# KiCad board RasPi.kicad_pcb (continued)
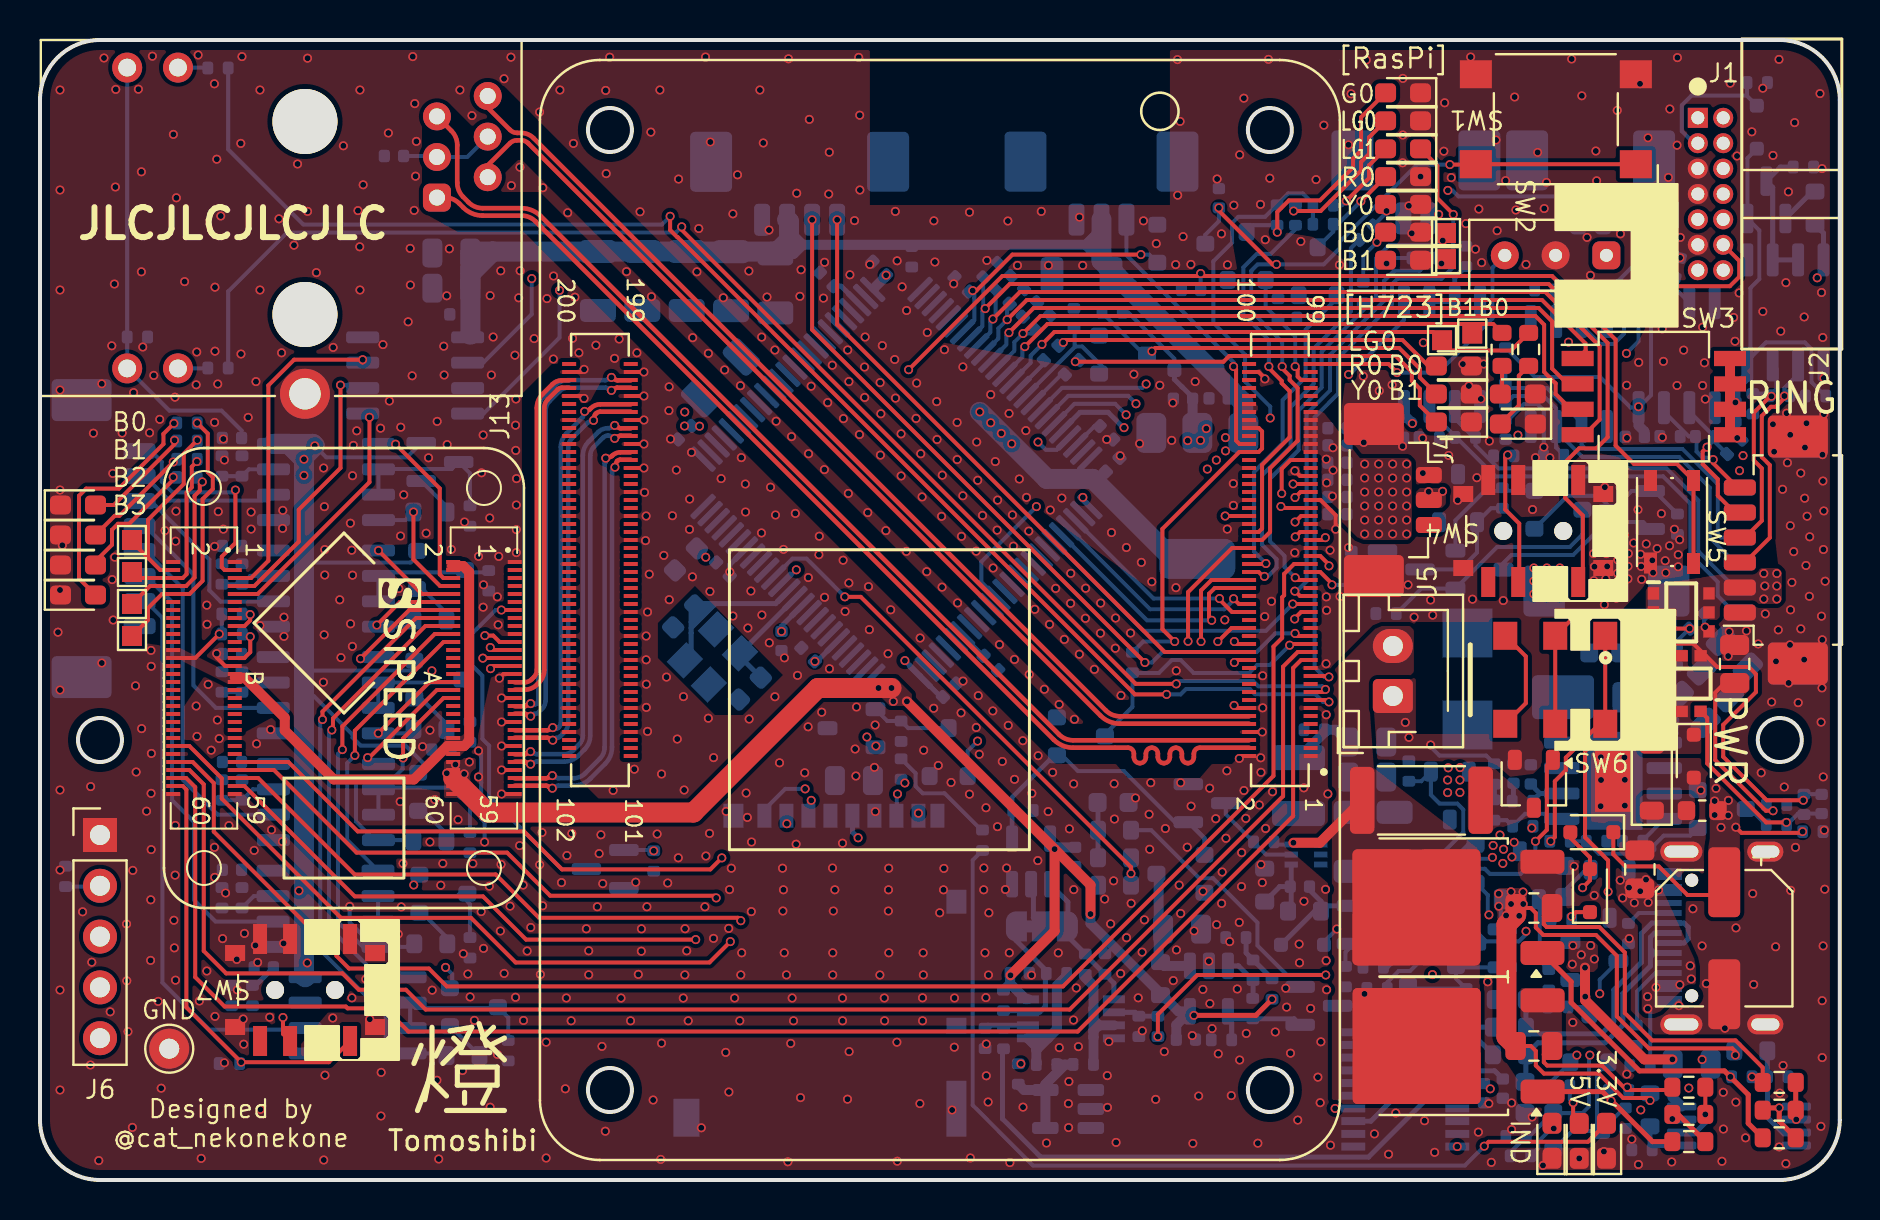
[diagram p0: board, top side]
## Routing (per net, layer and track width the routed paths; a pad name or vN(x,y) marks a point on that pad's centre or on a via; arc(x,y) is an arc through that point) (continued)
/RingNW/HSE_OUT: length 11.2
  Bottom w0.25: 32.56,27.92 32.56,28.53 C5.2 32.85,28.82 33.78,28.82 ; 32.56,27.92 33.46,28.82 33.78,28.82 ; 32.56,27.92 32.56,27.6 ; 33.78,28.82 36.79,28.82 U15.13 ; 33.78,28.82 32.56,27.6 ; 32.56,27.6 32.56,27.33 32.56,27.33 32.56,26.29 Y1.3
/RingNW/LED_B0: length 26.3
  Top w0.2: R4.2 72.67,42.8 50.38,42.8 v1(49.25,41.67)
  Bottom w0.2: U15.63 49.12,41.15 49.12,41.54 v1(49.25,41.67)
/RingNW/LED_B1: length 27.8
  Top w0.2: R5.2 73.56,41.48 70.56,41.48 69.64,42.4 50.72,42.4 v1(50.1,41.78)
  Bottom w0.2: U15.64 49.54,40.86 49.54,41.22 v1(50.1,41.78)
/RingNW/LED_LG0: length 1.9
  Bottom w0.2: R107.2 50.2,40.82 U15.65
/RingNW/LED_nR0: length 6.6
  Bottom w0.2: 51.74,41.65 51.74,42.52 R105.1 ; 51.74,41.65 51.77,41.68 52.11,41.68 53.12,40.67 53.12,40.21 ; 51.74,41.65 U15.66
/RingNW/LED_Y0: length 2.2
  Bottom w0.2: R108.2 51.07,40.28 U15.67
/RingNW/NRST: length 78.6
  Top w0.2: J1.12 84.97,45.96 84.97,45.16 84.5,44.69 76.12,44.69 75.61,45.2 ; 75.61,45.2 48.12,45.2 v1(43.43,40.52) ; 75.61,45.2 78.79,42.02 78.79,36.72 79.71,35.8 81.86,35.8 SW5.1 SW5.1
  In2.Cu w0.2: v1(37.82,30.51) 38.36,31.05 38.36,35.44 v1(43.43,40.52)
  Bottom w0.2: U15.14 37.09,29.78 v1(37.82,30.51) ; C2.1 v1(58.04,45.33)
/RingNW/RS485_RingNW/RS485X_RA: length 20
  Bottom w0.2: U3.6 70.74,38.09 71.78,37.05 71.78,36.74 72.94,35.58 81.33,35.58 82.92,33.99 82.92,31.45 84.74,29.62 J3.5
/RingNW/RS485_RingNW/RS485X_RB: length 22.6
  Bottom w0.2: R18.1 70.75,37.12 R19.2 ; J3.6 84.73,28.38 83.9,29.2 83.9,29.91 82.52,31.28 82.52,33.82 81.16,35.18 72.77,35.18 69.48,38.48 U3.7
/RingNW/RS485_RingNW/RS485X_TA: length 17.8
  Bottom w0.2: J3.3 84.06,32.12 83.9,32.28 83.9,34.78 82.13,36.55 77.3,36.55 77.08,36.76 U2.6 77.08,37.88 75.36,39.6 73.5,39.6 R15.1 R13.2
/RingNW/RS485_RingNW/RS485X_TB: length 19
  Bottom w0.2: R14.1 75.81,36.62 U2.7 ; U2.7 75.81,38.58 75.19,39.2 73.68,39.2 R15.2 ; U2.7 75.81,37.47 77.13,36.15 81.96,36.15 83.5,34.61 83.5,32.12 84.74,30.88 J3.4
/RingNW/RS485_RingNW/RS485Y_RA: length 8.1
  Top w0.2: v1(83.36,36.64) 83.14,36.42 83.14,35.8 83.9,35.04 83.9,34.22 84.74,33.38 J2.5
  Bottom w0.2: R21.2 83.8,36.86 R23.1 ; R23.1 83.8,37.08 v1(83.36,36.64) ; R23.1 83.72,37.18 82.48,38.42 U4.6
/RingNW/RS485_RingNW/RS485Y_RB: length 6.1
  Top w0.2: J2.6 84.88,34.62 83.67,35.84 v1(83.67,36.02)
  Bottom w0.2: U4.7 81.2,38.42 82.45,37.18 82.78,37.18 82.84,37.12 82.84,36.43 83.14,36.12 83.57,36.12 v1(83.67,36.02)
/RingNW/RS485_RingNW/RS485Y_TA: length 12.7
  Top w0.2: J2.3 85.26,30.88 86.5,32.12 86.5,35.75 86.1,36.15 86.1,38.2 86.56,38.66 86.8,38.66 87.23,39.09 v1(87.23,39.2)
  Bottom w0.2: 88.42,39.11 88.32,39.21 R98.1 ; v1(87.23,39.2) 87.23,39.6 87.92,40.28 U14.6
/RingNW/RS485_RingNW/RS485Y_TB: length 10.9
  Top w0.2: J2.4 85.26,32.12 86.1,32.97 86.1,35.58 85.7,35.98 85.7,38.37 86.52,39.19 v1(86.58,39.19)
  Bottom w0.2: R97.1 86.37,39.32 R98.2 86.83,39.56 86.83,40.57 U14.7
/RingNW/SlideSW0: length 50.1
  Top w0.2: v1(47.26,43.57) 48.49,44.8 75.44,44.8 78.39,41.85 78.39,37.14 77.83,36.59 76.96,36.59 76.27,35.89 76.27,34.1 77.15,33.22 77.15,30.13 SW4.1
  Bottom w0.2: R8.1 47.17,45.12 47.17,43.66 v1(47.26,43.57) 47.12,43.43 47.12,42.69 U15.58
/RingNW/SWCLK: length 48.5
  In2.Cu w0.2: J1.6 86.16,48.58 86.16,44.48 85.5,43.82 57.24,43.82 52.15,38.73 v1(52.15,34.13)
  Bottom w0.2: U15.76 52.15,34.02 v1(52.15,34.13) 52.14,34.13
/RingNW/SWDIO: length 48.2
  In2.Cu w0.2: J1.4 84.97,52.64 84.97,53.54 84.3,54.21 78.57,54.21 70.71,46.35 56.46,46.35 49.91,39.8 v1(49.91,36.9)
  Bottom w0.2: U15.72 50.84,36.51 50.3,36.51 v1(49.91,36.9)
/RingNW/SWO: length 52.8
  In2.Cu w0.2: J1.8 84.97,48.5 84.97,45.16 84.49,44.68 56.86,44.68 50.93,38.75 50.93,34.78 v1(49.83,33.67)
  Bottom w0.2: v1(49.83,33.67) 47.07,30.91 47.07,29.91 U15.89
/RST_FPGA: length 17.5
  Top w0.2: U7.A13 v1(23.07,28.5)
  Bottom w0.2: v1(23.07,28.5) 22.78,28.5 21.62,27.34 21.62,25.72 22.12,25.22 22.12,22.06 22.46,21.72 22.46,19.18 26.09,15.55 Q21.3
/V_Meas: length 26.3
  Top w0.2: v1(40.24,29.16) 41.04,29.16 54.55,15.65 v1(54.55,15.32)
  Bottom w0.2: v1(40.24,29.16) 38.33,31.07 37.62,31.07 U15.15
  Bottom w0.25: R70.1 R69.2
CM4_3.3V(OUTPUT)__1: length 16.4
  Top w0.2: v1(56.74,26.92) 56.13,27.54 56.13,32.56 59.97,36.4 U1.78 60.94,36.4 61.11,36.57 61.11,37.43 60.94,37.6 U1.84
  Bottom w0.2: v1(56.74,26.92) 55.17,26.92 R92.1
Net-(C19-Pad1): length 1.6
  Bottom w0.25: U15.48 40.06,44.69 C19.1
Net-(C26-Pad1): length 2.7
  Top w0.25: R143.2 81.92,3.28 C26.1
  Bottom w0.25: U22.7 81.65,3.03 v1(81.62,3.05)
Net-(C30-Pad1): length 2.8
  Bottom w0.25: R69.1 52.9,18.85 C30.1
Net-(C58-Pad1): length 15.4
  Bottom w0.25: J11.A7 82.21,11.85 82.42,12.06 82.42,12.64 82.21,12.85 J11.B7 80.6,12.85 80.08,12.33 80.08,10.89 78.7,9.51 78.7,7.93 78.08,7.31 74.64,7.31 R115.2 74.3,8.98 C58.1
Net-(C59-Pad1): length 14.2
  Bottom w0.25: 80.53,11.56 80.74,11.35 ; 80.53,11.56 80.53,12.14 80.74,12.35 J11.A6 ; 80.53,11.56 80.53,11.14 ; 80.74,11.35 J11.B6 ; 80.74,11.35 80.53,11.14 ; C59.1 74.3,4.95 R101.2 74.9,6.86 78.27,6.86 79.15,7.74 79.15,9.32 80.53,10.7 80.53,11.14
Net-(C62-Pad1): length 1.6
  Bottom w0.2: C62.1 52.74,37.7 U15.73
Net-(C65-Pad1): length 0.9
  Bottom w0.25: 73.62,18.94 73.68,19 C65.1
Net-(C69-Pad1): length 3.6
  Top w0.25: C69.1 86.26,3.61 v1(86.97,3.61) 86.97,2.94 R126.2
  Bottom w0.25: v1(86.97,3.61) 87.04,3.67 U22.1
Net-(D1-K): length 7.2
  Bottom w0.2: 85.34,54.22 85.36,54.23 R1.1 ; 85.34,54.22 D1.1 ; 85.34,54.22 82.58,54.22 82.1,53.74 82.1,52.44 82.7,51.84 J1.3
Net-(D2-A): length 1.4
  Top w0.2: R4.1 73.11,39.39 D2.2
Net-(D3-A): length 3.5
  Top w0.2: D3.2 73.95,38.73 73.95,40.22 R5.1
Net-(D9-A): length 1.9
  Bottom w0.2: R71.1 74.92,1.59 74.92,1.92 75.58,2.58 v1(75.7,2.58)
Net-(D10-A): length 2.1
  Top w0.2: D10.2 76.66,3.14 v1(76.66,3.87)
  Bottom w0.2: v1(76.66,3.87) 76.5,4.03 R72.1
Net-(D11-A): length 46.8
  Top w0.2: D11.2 77.4,1.91 72.44,1.91 v1(72.22,1.69)
  Bottom w0.2: R73.1 46.64,15.99 46.64,3.74 49.66,0.72 71.25,0.72 v1(72.22,1.69)
Net-(D12-A): length 5.4
  Top w0.2: v1(6.73,36.99) 6.73,36.79 3.69,33.75 D12.2
Net-(D13-A): length 5.4
  Top w0.2: D13.2 3.74,33.21 3.97,33.21 v1(6.66,35.9)
Net-(D14-A): length 6.3
  Top w0.2: D14.2 2.77,30.94 3.6,31.76 3.6,32.51 3.9,32.81 4.46,32.81 6.66,35.01 v1(6.66,35.14)
Net-(D15-A): length 11.8
  Top w0.2: D15.2 1.95,30.08 1.95,34.21 2.31,34.57 3.94,34.57 6.17,36.8 6.17,37.31 v1(6.7,37.83)
Net-(D17-K): length 4.3
  In2.Cu w0.5: v1(80.96,22.68) 77.17,22.68 v1(77,22.85)
  Bottom w0.5: C51.2 80.78,22.86 v1(80.96,22.68)
Net-(D18-K): length 7.8
  Top w0.2: D5.1 76.81,13.39 v1(76.59,13.17)
  In2.Cu w0.2: v1(76.59,13.17) 75.85,12.44 v1(74.31,12.44)
  Bottom w0.2: v1(76.59,13.17) R46.1 ; v1(74.31,12.44) 74.31,12.29 73.95,11.93 72.32,11.93 71.34,12.91 D18.1
Net-(D19-A): length 2.3
  Bottom w0.2: R3.1 66.17,46.21 v1(66.85,46.89)
Net-(D20-A): length 18.6
  Top w0.2: v1(55.6,41.44) 55.76,41.6 67.96,41.6 69,40.56 69,40.12 D20.2
  Bottom w0.2: Q10.3 55.21,41.27 R109.2
Net-(D21-A): length 19.3
  Top w0.2: D21.2 69.4,40.7 69.4,40.73 68.13,42 51.29,42 v1(51.17,41.88)
Net-(D22-A): length 20.3
  Top w0.2: D22.2 69,38.73 69,39.56 68.6,39.96 68.6,40.4 67.8,41.2 59.47,41.2 59.18,40.91 51.77,40.91 v1(51.77,40.92)
Net-(D23-A): length 12.1
  Top w0.2: D23.2 66.06,53.14 66.06,51.47 65.66,51.07 65.66,50.64 64,48.98 62.45,48.98 61.87,48.4 v1(61.87,47.39)
  Bottom w0.2: v1(61.87,47.39) 61.86,47.4 R113.2 60.67,47.74 Q24.3
Net-(D24-A): length 7.2
  Top w0.2: D24.2 66.46,52.14 66.46,51.3 66.06,50.9 66.06,50.47 64.04,48.45 v1(62.69,48.45)
Net-(D25-A): length 1
  Bottom w0.2: v1(67.33,48.45) 67.33,48.37 R112.1
Net-(D26-A): length 4.2
  Top w0.2: D26.2 66.46,50.73 66.46,50.09 v1(65.32,48.95)
  Bottom w0.2: v1(65.32,48.95) 65.11,48.74 64.67,48.74
Net-(D28-A): length 1.4
  Bottom w0.2: v1(67.34,45.82) 67.61,46.1 R42.1
Net-(D29-A): length 5.1
  Top w0.2: v1(66.05,48.94) 66.05,48.94 D29.2
  Bottom w0.2: v1(66.05,48.94) 64.9,47.79 64.67,47.79 64.67,47.42 Q23.3
Net-(J4-Pin_2):
  vias: v1(69.44,34.42) v1(70.14,34.43)
Net-(J11-CC1): length 2.3
  Bottom w0.2: R52.2 79.95,13.35 J11.A5
Net-(J11-CC2): length 3.7
  Bottom w0.2: J11.B5 80.78,10.35 79.86,9.43 79.86,7.8 R51.2
Net-(J13-Pad13): length 1.5
  Bottom w0.2: 6.9,40.58 8.37,40.58 8.39,40.6
Net-(J13-Pad15): length 1.5
  Bottom w0.2: 8.39,55.6 8.37,55.62 6.9,55.62
Net-(J13-RCT): length 4.7
  Bottom w0.2: C46.1 19.8,51.2 J13.5 21.37,51.15 J13.11
Net-(JP1-C): length 2.3
  Bottom w0.25: JP1.2 49.67,13.11 49.67,14.67 U25.2
Net-(Q1-B): length 4.2
  Bottom w0.2: Q1.1 79.73,45.77 R11.1
Net-(Q1-C): length 10.5
  Bottom w0.2: Q1.3 80.68,46.07 79.21,44.6 79.21,42.32 78.69,41.8 78.02,41.8 77.08,42.73 U2.3 U2.2 75.76,42.98 R12.1
Net-(Q2-B): length 2.1
  Bottom w0.2: R24.1 20.51,7.69 Q2.1
Net-(Q2-C): length 7.7
  Bottom w0.2: 18.51,7.6 18.51,8.87 18.78,8.6 22.86,8.6 Q2.3 23.41,8.12 R25.1
Net-(Q3-B): length 2.1
  Bottom w0.2: 19.11,13.36 20.36,12.1 R30.1
Net-(Q3-C): length 7.8
  Bottom w0.2: U8.3 U8.2 20.86,14.2 20.98,14.31 21.5,13.79 R31.1
Net-(Q4-B): length 2
  Bottom w0.2: 19.17,18.46 20.33,17.31 R28.1
Net-(Q4-C): length 7.7
  Bottom w0.2: U9.3 16.92,19.53 17.01,19.62 20.84,19.62 21.5,18.96 R34.1
Net-(Q5-B): length 2.1
  Bottom w0.2: 19.06,24.07 20.33,22.81 R37.1
Net-(Q5-C): length 7.7
  Bottom w0.2: U10.3 16.92,24.88 20.79,24.88 20.94,25.02 21.5,24.46 R38.1
Net-(Q6-G): length 3.4
  Bottom w0.2: Q6.1 77.29,15.51 76.25,14.47 C21.2 75.57,13.48 R46.2
Net-(Q7-B): length 8.2
  Bottom w0.2: 78.07,2.45 77.86,2.66 77.86,5.31 Q9.1 ; 78.07,2.45 79.22,3.6 R49.2 ; 78.07,2.45 76.62,2.45 Q7.1
Net-(Q8-G): length 2.6
  Bottom w0.2: Q9.3 77.11,8.65 R53.2 76.53,8.77 Q8.1
Net-(Q11-D): length 1.4
  Bottom w0.2: Q11.3 85.52,18.55 R61.2
Net-(Q12-G): length 3
  Top w0.2: v1(82.49,27.57) 80.82,27.57 Q12.3
  Bottom w0.2: R56.1 81.84,26.92 v1(82.49,27.57)
Net-(Q14-G): length 9.9
  Top w0.2: Q14.3 83.37,23.1 83.37,20.83 86.32,17.88 v1(87.33,17.88)
  Bottom w0.2: R61.1 87.91,18.32 C23.2
Net-(Q15-B): length 9
  Bottom w0.2: R63.2 80.73,34.45 Q15.1 79.59,34.45 Q15.3 77.93,34.21 76.38,34.21 Q17.1
Net-(Q16-G): length 12.2
  Bottom w0.2: R65.2 69.07,29.57 70.78,29.57 72.86,31.65 76.5,31.65 77.13,32.28 77.13,33.51
Net-(Q18-B): length 2.1
  Bottom w0.2: 19.12,29.56 20.33,28.35 R41.1
Net-(Q18-C): length 6.9
  Bottom w0.2: R74.1 22.35,30.38 17.1,30.38 U11.2 U11.3
Net-(Q19-B): length 2.1
  Bottom w0.2: Q19.1 20.33,33.69 R77.1
Net-(Q19-C): length 7.9
  Bottom w0.2: U12.3 16.92,35.53 16.94,35.55 20.59,35.55 Q19.3 21.5,35.34 R78.1
Net-(Q22-B): length 2
  Bottom w0.25: R90.1 88.63,49.42 Q22.1
Net-(Q22-C): length 7
  Bottom w0.25: U14.3 U14.2 86.64,49.63 Q22.3 87.03,50.65 R95.1
Net-(Q25-D): length 6.3
  Bottom w0.2: Q25.3 71.01,30.53 71.86,31.38 Q26.1 72.56,33.59 R102.1
Net-(Q27-D): length 4
  Bottom w0.2: Q27.3 43.42,22.59 R104.1 42.37,22.95 Q28.1
Net-(Q29-G): length 3.7
  Bottom w0.2: R50.2 75,10.97 75,13.55 74.95,13.6 74.95,14.04
Net-(Q30-B): length 6.7
  Bottom w0.2: Q30.1 68.59,9.57 R45.2 70.81,10.07 Q30.3 70.88,10.63 Q32.1
Net-(Q31-G): length 16.3
  Top w0.25: 75.13,11.35 76.56,9.92 76.56,8.88 79.99,5.45 84.23,5.45 85.42,4.27 85.42,2.84 R126.1
  vias: v1(84.53,5.16)
Net-(Q31-S): length 18.1
  Top w0.2: R127.1 86.14,5.62 84.79,6.98 80.62,6.98 79.25,8.35 79.25,11.38 77.98,12.65 75.34,12.65 75.2,12.79 75.2,13.19 R125.2
  Top w0.25: v1(85.61,5.16) 85.86,5.16 R127.1
Net-(Q33-G): length 20
  Top w0.2: Q33.1 75.35,20.71 75.35,17.5 74.78,16.93 v1(74.78,16.93)
  Bottom w0.2: v1(74.78,16.93) 74.78,16.05 74.04,15.31 72.51,15.31 72.25,15.56 71.33,15.56 70.96,15.19 70.96,15.07 70.64,14.75 70.64,12.59 68.51,10.45 67.94,10.45 67.37,9.88 R91.1 66.5,8.71 Q34.3
Net-(Q34-G): length 5.4
  Bottom w0.25: R155.2 59.59,8.24 U17.4 59.77,8.06 62.71,8.06 Q34.1
Net-(Q35-G): length 8
  Bottom w0.2: Q37.3 69.6,15.81 71.17,17.38 71.17,18.52 70.87,18.82 69.99,18.82 69.55,19.26 Q35.1 69.07,19.94 R131.2
Net-(Q36-B): length 10.9
  Bottom w0.2: R130.2 65.28,11.39 66.65,12.76 Q36.3 67.58,12.64 69.57,12.64 69.84,12.92 69.84,15.09 70.1,15.34 70.1,15.41 70.16,15.47 70.16,15.52 71.4,16.76 71.79,16.76
Net-(Q38-D): length 4.7
  Bottom w0.2: U19.2 61.31,16.27 59.3,18.28 Q38.3
Net-(Q39-G): length 8.1
  Top w0.25: Q39.1 78.13,4.42 80.63,1.92 R143.1
  Bottom w0.2: v1(78.56,3.96) 78.43,4.1 R141.2
Net-(Q39-S): length 8
  Top w0.2: R139.1 81.48,4.5 79.33,4.5 78.11,5.72 75.37,5.72 75.2,5.89 75.2,6.29 R140.2
  vias: v1(79.37,4.64)
Net-(Q40-D): length 6
  Bottom w0.5: Q40.3 55.94,15.2 55.94,10.98 R151.1 56.22,10.71 57.5,10.71
Net-(R122-Pad1): length 0.8
  Bottom w0.25: R43.1 72.73,19.03 R122.1
Net-(R153-Pad1): length 2.6
  Bottom w0.25: R154.1 60.31,11.36 R153.1
Net-(SW6-A): length 11.6
  Top w0.2: v1(75.54,16.94) 75.75,17.15 75.75,19.94 76.3,20.49 76.3,21.12 77.99,22.81 SW6.1 SW6.1
Net-(U3-DE): length 3.2
  Bottom w0.25: R16.1 70.74,45.12 U3.3 U3.2
Net-(U4-DE): length 2.4
  Bottom w0.2: R20.1 81.75,44.41 ; 81.75,44.41 U4.2 ; 81.75,44.41 81.93,44.41 U4.3
Net-(U5-B): length 3.8
  Bottom w0.2: U5.7 13.09,8.7 9.59,8.7 R27.1
Net-(U6-3V3OUT): length 9.3
  Bottom w0.25: U6.14 69.09,5.48 66.55,2.94 U6.3 ; U6.14 U6.13 ; U6.14 70.89,5.46 72.74,5.46 C60.2
Net-(U6-USBDM): length 4.6
  Bottom w0.25: U6.12 70.23,6.75 69.95,7.04 69.95,7.73 70.13,7.91 71.66,7.91 71.93,7.64 R115.1
Net-(U6-USBDP): length 2.3
  Bottom w0.25: R101.1 72.65,6.28 71.55,7.39 U6.11
Net-(U7-D7_DONE): length 2.1
  Top w0.2: v1(10.51,27.16) 10.51,26.39 10.22,26.1 9.74,26.1
  Bottom w0.2: v1(10.51,27.16) 10.38,27.3 R86.1
Net-(U7-E8_READY): length 1.6
  Top w0.2: 9.74,27.7 10.23,27.7 10.51,27.98 v1(10.51,28.27)
  Bottom w0.2: R85.1 10.48,28.3 v1(10.51,28.27)
Net-(U8-B): length 2.8
  Bottom w0.2: U8.7 10.69,14.2 R32.2 R33.1
Net-(U9-B): length 2.8
  Bottom w0.2: R36.1 R35.2 10.64,19.53 11.67,19.53
Net-(U10-B): length 2.8
  Bottom w0.2: 11.66,24.88 10.58,24.88 R39.2 R40.1
Net-(U11-B): length 2.7
  Bottom w0.2: U11.7 10.52,30.2 R75.2 R76.1
Net-(U12-B): length 2.7
  Bottom w0.2: 11.67,35.53 10.44,35.53 R79.2 R87.1
Net-(U13-BOOT): length 1.8
  Bottom w0.5: C51.1 81.69,22.33 U13.1 80.58,21.87 80.58,21.87
Net-(U13-COMP): length 2.3
  Bottom w0.25: 75.01,19.33 74.55,19.78 C50.1 ; 75.01,19.33 74.64,18.96 R116.2 ; 75.01,19.33 U13.6
Net-(U13-RT/CLK): length 1.6
  Bottom w0.2: R119.2 80.15,16.98 U13.4
Net-(U17-+): length 2.5
  Bottom w0.25: R150.2 60.66,9.1 R156.1 59.93,10.71 U17.3
Net-(U22A-+): length 5.1
  Bottom w0.25: R128.1 86.37,5.17 R129.2 86.39,3.12 87.13,2.38 U22.3
Net-(U22A--): length 1.9
  Top w0.25: R127.2 C69.2 87.8,3.05 v1(87.82,3.03)
Net-(U22B-+): length 2.8
  Bottom w0.25: R142.1 80.51,1.62 R144.2 80.83,1.73 U22.5
Net-(U22B--): length 3.2
  Top w0.2: R139.2 v1(83.27,3.28)
  Bottom w0.25: U22.6 82.79,2.38 83.27,2.86 v1(83.27,3.28)
Net-(U23-K): length 5.9
  Bottom w0.5: U23.4 U23.5 ; U23.5 50.27,4.78 51.26,5.77 ; U23.5 49.21,4.5 R123.1 ; R145.2 51.65,5.77 R135.2
Net-(U24A-+): length 7.1
  Bottom w0.5: 52.68,7.13 52.68,7.47 52.95,7.73 ; 52.68,7.13 52.68,8.58 ; 52.68,7.13 R135.1 ; 52.68,8.58 52.68,9.71 52.27,10.12 R147.2 ; 52.68,8.58 52.68,8 52.95,7.73 ; 52.95,7.73 U24.3
Net-(U24A--): length 2.3
  Bottom w0.25: R55.1 R134.1 54.76,8.39 U24.2
Net-(U24B-+): length 6.9
  Bottom w0.5: R145.1 49.82,6.51 ; 49.82,6.51 50.4,7.09 ; 49.82,6.51 49.82,6.67 U24.5 50.4,7.09 ; R146.2 51.34,10.2 50.85,9.71 50.85,7.53 50.4,7.09
Net-(U24B--): length 2.2
  Bottom w0.25: R57.1 47.4,7.73 U24.6
unconnected-(SW6-C-Pad3): length 5.3
  Top w0.2: SW6.3 74.3,26.18 74.3,23.84 SW6.3

## Copper pours and planes (outline as drawn; the poured copper is in the pictures)
+3.3V on Bottom: 41.2,22.3 41.2,21.3 42.7,20.8 43.4,20.8 43.4,22.3
+3.3V on Bottom: 35,33 33.8,31.8 33.4,32.2 32.8,32.2 32.2,31.6 33.3,30.5 33.9,30.5 35.7,32.3
+3.3V on Bottom: 12.5,32.1 9.7,32.1 9.7,30.5 10.8,30.5 10.9,30.6 12.5,30.6 12.9,30.2 12.9,32.5
+3.3V on Bottom: 12.5,15.9 9.7,15.9 9.7,14.3 10.6,14.3 11,14.6 12.5,14.6 13,14.1 13,16.4
+3.3V on Bottom: 12.8,11.7 12.1,11 11.3,11 11.3,10.1 12.1,10.1 12.6,9.6 14.2,9.6 14.2,10.3
+3.3V on Bottom: 74.9,36.9 74,35.9 73,35.9 73,37.2 74.3,38.5 74.9,38.5
+3.3V on Bottom: 32,39.4 32,37.6 32.9,36.7 34.5,38.3 32.7,40.1
+3.3V on Bottom: 12.5,26.7 9.7,26.7 9.7,25.1 10.6,25.1 10.8,25.3 12.5,25.3 12.9,24.9 13,27.2
+3.3V on Bottom: 57.1,38.3 57.1,36.4 56.3,35.6 53.8,35.6 52.8,36.6 51.6,35.4 56,31.1 56,30.5 59.7,30.5 59.7,31.7 58.6,36.4 58.6,38.3
+3.3V on Bottom: 12.4,21.3 9.7,21.3 9.7,19.7 10.6,19.7 11,20 12.4,20 13,19.4 13,21.9
+3.3V on Bottom: 9.7,37.5 9.7,35.9 10.6,35.9 11,36.2 12.6,36.2 12.6,37.5
+3.3V on In2.Cu: 36.2,43.5 36.2,42.7 38.3,40.6 41.2,43.5
+3.3V on In2.Cu: 32,38.6 32,37.6 33.1,36.5 33.1,35.3 36.4,38.6
+5V on Top: 63.7,34.3 63.7,36.3 63.1,36.3 63.1,38.5 64.1,38.5 66,36.1 68.6,36.1 68.6,32 66,32
+5V on Top: 20.2,21.1 20.2,19.1 21.1,19.1 21.8,20.5 21.8,21.1
+5V on Top, Bottom: 76.1,12.3 76.1,10.4 77.9,10.4 77.9,12.3
+5V on Top, In2.Cu: 42,25.1 41.7,24.8 41.7,24.5 42.5,23.7 43.4,23.7 43.6,23.9 43.6,24.3 42.8,25.1
+5V on Bottom: 71.3,31.1 68.6,31.1 67.7,32 66,32 66,36.1 68.6,36.1 68.6,34.7 69.8,33.5 71.3,33.5
+5V on Bottom: 58.8,40.7 58.8,36.6 58.1,35.9 58.1,35.2 59.8,35.2 61,36.4 61,38.5
+5V on Bottom: 71.95,20.9 70.15,20.9 70.15,19.2 71.95,19.2
+5V on Bottom: 64,38 64,32.9 64.9,32.9 64.9,38
+5V on Bottom: 20.9,21.9 21.8,21 21.8,20.5 21.4,20.1 20.1,20.1 20.1,21.9
+5V on In2.Cu: 64.8,37.6 59.2,37.6 58.2,36.6 58.2,35.4 62.6,35.4 66,32 68.6,32 68.6,36.1 66,36.1
+5V on In2.Cu: 64.5,27.7 64.5,22 69.8,16.7 69.8,20.1 66.5,23.4 66.5,27.7
/FPGA_TangPrimerCore/3.3V_TangPrimer on Top: 20.2,22.4 20.2,21.2 21,21.2 21.4,21.6 21.4,22.4
/FPGA_TangPrimerCore/3.3V_TangPrimer on Top: 7,26.6 9.4,25.4 10.2,25.4 10.2,24.8 9.4,24.8 7,26 6.2,26 6.2,26.6
GND on Top, Bottom, In1.Cu, In2.Cu: 95,-1.5 -5,-1.5 -5,58.5 95,58.5
GND on Bottom: 66.5,25.2 66.5,19.5 66.1,19.1 64.4,19.1 64.4,17.9 63.6,17.1 63.6,16.6 65.3,16.6 68.8,18.1 68.8,25.2
GND on Bottom: 77,31.5 77,17.5 80,17.5 80,20.5 86,26.5 86,31.5
GND on In1.Cu, In2.Cu: 22.5,41.5 22.5,18.5 31,18.5 31,41.5
VBUS on Top: 78.8,16.1 78.8,14.1 80.1,12.8 80.1,8.3 80.9,8.3 82.2,9.6 82.8,9.6 82.8,10.9 81.1,14.6 79.6,16.1
VBUS on Bottom: 80.1,8.3 80.7,8.3 80.7,9.3 82.8,9.3 82.8,10.9 81.5,10.9 80.1,9.5
VBUS on Bottom: 82.2,13.6 79.3,13.6 78.8,14.1 78.8,16.1 79.6,16.1 80.8,14.9 82.2,14.9
VCC on Top: 85,19 85,13.15 83.45,13.15 83.4,16.5 83.5,17.1 83.5,20.5
VCC on Bottom: 85,17.4 83.45,17.4 83.45,19.2 84,22.3 84,22.4 83.9,22.4 83,19.8 80.3,19.8 80.3,21.4 82,21.4 83.2,23.6 85.6,26.4 86.2,25.8
VDD on Top: 83.8,25.5 82.7,26.6 80.8,26.6 80,25.8 80,21.3 83.3,21.3 83.3,23.9 84.1,24.1 85.6,24.1 85.6,25.5
+BATT on Top: 80.3,29.7 80.3,28 84.05,28 84.05,28.75 84.2,28.9 85.8,28.9 85.9,28.8 87.1,28.8 87.1,30.6 85.9,30.6 85.6,30.3 84.2,30.3
+BATT on Bottom: 85.9,28.8 85.9,32.5 85.7,32.7 84.1,32.7 84.1,34.1 86.7,34.1 87.1,33.7 87.1,28.8
/Power/Cap on Top: 68.7,27.7 68.7,25.2 66.9,25.2 66.5,24.8 66.5,23.5 66.7,20.6 72,16.5 72,3.8 64.6,3.8 64.6,25.4 66.9,27.7
/Power/Cap on Bottom: 66.5,23.5 66.2,19.3 65,19.3 64,20.3 61.5,20.3 61.5,21.9 64,21.9 64.6,22.5 64.6,25.4 66.9,27.7 68.7,27.7 68.7,25.2 66.9,25.2 66.5,24.8
/Power/CC on Top, Bottom: 74.35,14.6 72.75,14.6 72.75,13 74.35,13
/Power/IND on Bottom: 79,13.7 79,11.6 79.2,11.4 79.5,11.4 79.5,10.5 78,10.5 78,13.7
/Power/S-S on Top: 82.6,27.7 83.9,27.7 83.9,25.6 82.6,25.6
/Power/VCAP on Bottom: 71,18.5 70.1,18.5 64.6,16.3 64.4,16.1 63.6,16.1 63.6,15.6 64.8,14.8 68.8,14.8 68.8,15.9 71,17.5
/Power/VSYS on Bottom: 70.1,26.2 78,26.2 78,27.1 76.2,30.9 72.9,30.9 72.9,30.2 73.9,29.2 73.9,28.9 73.6,28.6 70.1,28.6
/Power/VSYS on Bottom: 73.1,17.6 72.3,17.3 72.3,16.1 72.8,15.6 74,15.6 74.4,16 74.4,16.9
/Power/VSYS on In1.Cu: 72,15.6 72,20.3 74.2,22.5 74.2,30.9 76.2,30.9 77.8,27.5 77.8,22.35 74.1,18.65 74.1,15.6
/RasPi_CM4/SD_Card/PWR on Bottom: 38.9,17.6 38.9,22.9 40.3,22.9 40.3,19.4 40,19.1 40,17.6
Net-(D7-K) on Top: 80,17.8 82.75,17.8 82.75,19.3 80,19.3
Net-(D17-K) on Bottom: 77,21.4 70.1,21.4 70.1,23.9 74.8,25.2 77.7,25.2 77.7,23.2
Net-(J4-Pin_2) on Top: 68.8,34.6 68.8,33.6 70.3,33.6 70.3,34.6
Net-(J4-Pin_2) on Bottom: 71.3,35.8 70.7,35.8 69.2,34.6 69.2,34.2 70.2,34.2 71.3,34.9
Net-(Q31-S) on Top: 73.9,16.5 73.9,15.2 75.1,14 75.1,12.9 76.1,12.9 76.1,16.5
Net-(Q33-D) on Top: 71.4,20.7 71.4,17.4 72.5,17.4 74.4,18.1 75,18.1 75,19.1 74.4,19.1 72.6,20.7
Net-(Q39-S) on Top: 73.9,9.6 73.9,8.3 75.1,7.1 75.1,6 76.1,6 76.1,9.6
Net-(U19-SW) on Bottom: 61.6,19 61.6,17.8 62.9,17.1 62.9,16 63.6,16 64.3,16.1 64.3,16.5 63.6,16.5 63.6,17.05 64.3,17.75 64.3,19

Small or netless copper shapes (teardrops, artwork), in the pictures only: 3 on Top

## Text on the board
B.Silkscreen: LiDAR | AUDIO | RING
F.Silkscreen: LG1 | LG0 | B1 | B0 | 3.3V | B2 | B3 | Designed by / @cat_nekonekone | R0 | Y0 | GND | G0 | 5V | IND | [RasPi] | [H723] | Tomoshibi | RING | PWR | JLCJLCJLCJLC | 燈
